# KiCad board FD.02-01-2021.kicad_pcb (continued)
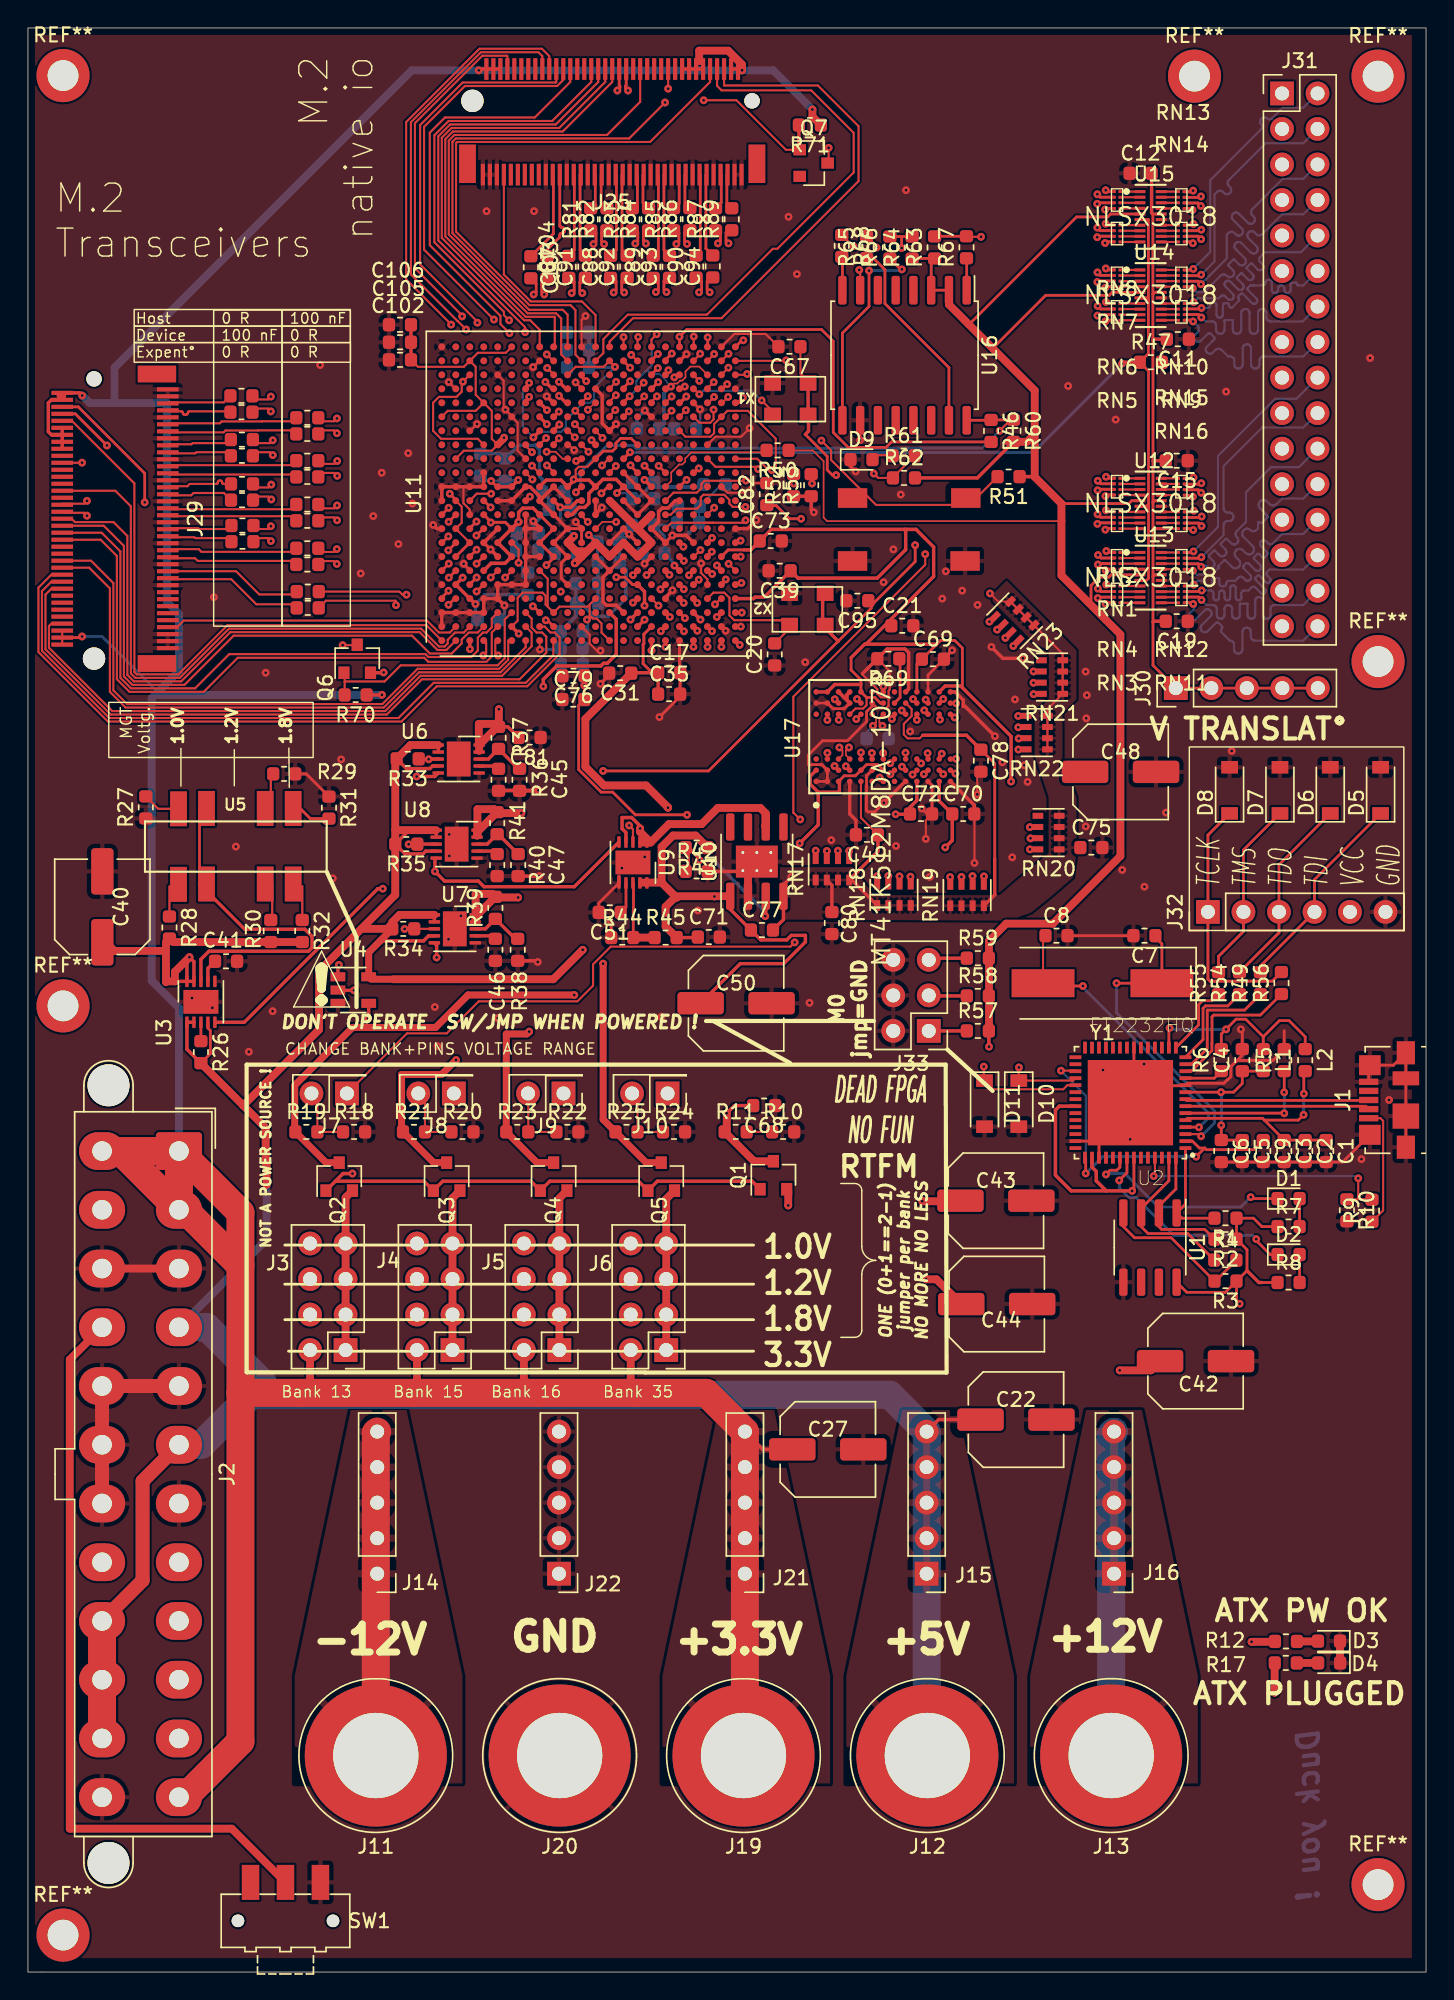
[diagram p0: board, top side]
## Routing (per net, layer and track width the routed paths; a pad name or vN(x,y) marks a point on that pad's centre or on a via; arc(x,y) is an arc through that point) (continued)
RN4_7: length 38.6
  Top w0.15: 46.6,111.21 v1(47.06,111.67)
  Top w0.21: 77.75,100.7 76.6,100.7 v1(76.53,100.63)
  In2.Cu_SigDDR w0.15: v1(47.06,111.67) 47.6,111.13 48.09,111.13 48.12,111.16 53,111.16 53.22,111.38 64.21,111.38 70.72,104.87 70.75,104.83 70.77,104.79 70.78,104.74 70.78,104.69 70.77,104.64 70.75,104.6 70.69,104.52 70.67,104.48 70.66,104.43 70.66,104.38 70.67,104.34 70.69,104.29 70.72,104.25 70.84,104.14 70.87,104.11 70.92,104.09 70.97,104.08 71.01,104.08 71.06,104.09 71.11,104.11 71.14,104.14 71.3,104.29 71.3,104.29 71.46,104.44 71.5,104.47 71.54,104.49 71.59,104.5 71.64,104.5 71.68,104.49 71.73,104.47 71.77,104.44 71.88,104.32 71.91,104.29 71.93,104.24 71.94,104.19 71.94,104.15 71.93,104.1 71.91,104.05 71.88,104.02 71.57,103.71 71.54,103.67 71.52,103.63 71.51,103.58 71.51,103.53 71.52,103.48 71.54,103.44 71.57,103.4 71.69,103.28 71.73,103.25 71.77,103.23 71.82,103.22 71.87,103.22 71.92,103.23 71.96,103.25 72,103.28 72.27,103.56 72.3,103.58 72.33,103.6 72.37,103.6 72.41,103.6 72.44,103.6 72.48,103.58 72.51,103.56 72.69,103.37 72.72,103.34 72.73,103.31 72.74,103.27 72.74,103.23 72.73,103.2 72.72,103.16 72.67,103.1 72.66,103.07 72.65,103.03 72.65,103 72.66,102.96 72.67,102.92 72.69,102.9 74.96,100.63 v1(76.53,100.63)
RN4_8: length 45.7
  Top w0.15: 44.53,112.2 v1(44.99,112.66)
  Top w0.21: v1(77.09,100.22) 77.17,100.3 77.75,100.3
  In2.Cu_SigDDR w0.15: v1(77.09,100.22) 77.05,100.18 74.37,100.18 70.61,103.94 70.56,103.98 70.51,104 70.45,104.02 70.39,104.02 70.33,104 70.27,103.98 70.18,103.9 70.12,103.87 70.06,103.86 70,103.86 69.94,103.87 69.88,103.9 69.83,103.94 69.8,103.97 69.76,104.02 69.73,104.08 69.72,104.14 69.72,104.2 69.73,104.26 69.76,104.31 69.8,104.36 70.15,104.72 70.18,104.75 70.21,104.8 70.22,104.85 70.22,104.9 70.21,104.95 70.18,104.99 70.15,105.03 70.05,105.14 70.01,105.17 69.96,105.19 69.91,105.2 69.86,105.2 69.81,105.19 69.77,105.17 69.73,105.14 69.37,104.79 69.33,104.75 69.27,104.72 69.21,104.71 69.15,104.71 69.09,104.72 69.03,104.75 68.99,104.79 68.95,104.82 68.91,104.87 68.89,104.93 68.87,104.99 68.87,105.05 68.89,105.11 68.91,105.16 68.95,105.21 69.3,105.56 69.34,105.6 69.36,105.65 69.37,105.7 69.37,105.75 69.36,105.8 69.34,105.84 69.3,105.88 69.2,105.99 69.16,106.02 69.11,106.04 69.06,106.05 69.01,106.05 68.96,106.04 68.92,106.02 68.88,105.99 68.53,105.63 68.48,105.6 68.42,105.57 68.36,105.56 68.3,105.56 68.24,105.57 68.19,105.6 68.14,105.63 68.1,105.67 68.06,105.72 68.04,105.77 68.02,105.83 68.02,105.9 68.04,105.96 68.06,106.01 68.1,106.06 68.46,106.41 68.49,106.45 68.51,106.5 68.52,106.55 68.52,106.6 68.51,106.65 68.49,106.69 68.46,106.73 68.35,106.84 68.31,106.87 68.26,106.89 68.22,106.9 68.17,106.9 68.12,106.89 68.07,106.87 68.03,106.84 67.68,106.48 67.63,106.44 67.57,106.42 67.51,106.4 67.45,106.4 67.39,106.42 67.34,106.44 67.29,106.48 67.25,106.52 67.22,106.57 67.19,106.62 67.17,106.68 67.17,106.74 67.19,106.8 67.22,106.86 67.25,106.91 67.61,107.26 67.64,107.3 67.66,107.35 67.67,107.4 67.67,107.45 67.66,107.49 67.64,107.54 67.61,107.58 67.5,107.69 67.46,107.72 67.42,107.74 67.37,107.75 67.32,107.75 67.27,107.74 67.22,107.72 67.18,107.69 66.83,107.33 66.78,107.29 66.73,107.27 66.67,107.25 66.6,107.25 66.54,107.27 66.49,107.29 66.44,107.33 66.41,107.37 66.37,107.42 66.34,107.47 66.33,107.53 66.33,107.59 66.34,107.65 66.37,107.71 66.44,107.8 66.47,107.86 66.48,107.92 66.48,107.98 66.47,108.04 66.44,108.1 66.41,108.15 63.59,110.96 54.74,110.96 54.66,110.88 47.18,110.88 46.6,111.45 46.6,111.71 46.12,112.19 45.82,112.19 45.36,112.66 v1(44.99,112.66)
RN5_5: length 37
  Top w0.15: 47.6,114.19 v1(48.02,113.77)
  Top w0.21: 77.72,119.31 77.2,119.31 v1(77.1,119.4)
  In2.Cu_SigDDR w0.15: v1(77.1,119.4) 76.94,119.57 76.29,119.57 75.25,118.53 75.21,118.5 75.17,118.48 75.13,118.47 75.09,118.47 75.04,118.48 75,118.5 74.97,118.53 74.91,118.59 74.87,118.62 74.83,118.64 74.79,118.65 74.74,118.65 74.7,118.64 74.66,118.62 74.62,118.59 74.59,118.56 74.58,118.52 74.57,118.47 74.57,118.43 74.58,118.38 74.59,118.34 74.62,118.31 74.68,118.25 74.71,118.21 74.73,118.17 74.74,118.13 74.74,118.08 74.73,118.04 74.71,118 74.68,117.97 74.65,117.94 74.61,117.92 74.56,117.91 74.52,117.91 74.48,117.92 74.44,117.94 74.4,117.97 74.34,118.03 74.3,118.05 74.26,118.07 74.22,118.08 74.18,118.08 74.13,118.07 74.09,118.05 74.06,118.03 74.03,117.99 74.01,117.95 74,117.91 74,117.86 74.01,117.82 74.03,117.78 74.06,117.74 74.12,117.68 74.15,117.65 74.17,117.61 74.18,117.56 74.18,117.52 74.17,117.47 74.15,117.43 74.12,117.4 74.08,117.37 74.04,117.35 74,117.34 73.95,117.34 73.91,117.35 73.87,117.37 73.83,117.4 73.77,117.46 73.74,117.49 73.7,117.51 73.65,117.52 73.61,117.52 73.57,117.51 73.53,117.49 73.49,117.46 73.46,117.43 73.44,117.39 73.43,117.34 73.43,117.3 73.44,117.25 73.46,117.21 73.49,117.18 73.55,117.12 73.58,117.08 73.6,117.04 73.61,117 73.61,116.95 73.6,116.91 73.58,116.87 73.55,116.83 73.52,116.81 73.48,116.79 73.43,116.78 73.39,116.78 73.34,116.79 73.3,116.81 73.27,116.83 73.21,116.89 73.17,116.92 73.13,116.94 73.09,116.95 73.04,116.95 73,116.94 72.96,116.92 72.93,116.89 72.9,116.86 72.88,116.82 72.87,116.78 72.87,116.73 72.88,116.69 72.9,116.65 72.93,116.61 72.99,116.55 73.01,116.52 73.03,116.48 73.04,116.43 73.04,116.39 73.03,116.34 73.01,116.3 72.99,116.27 72.54,115.82 72.51,115.82 72.49,115.83 72.46,115.85 72.45,115.86 72.43,115.89 72.42,115.91 72.42,115.96 72.41,115.99 72.39,116.01 72.38,116.03 72.35,116.04 72.33,116.05 72.3,116.06 72.14,116.06 72.11,116.05 72.09,116.04 72.06,116.03 72.05,116.01 72.03,115.99 72.02,115.96 72.02,115.91 72.01,115.89 71.99,115.86 71.98,115.85 71.95,115.83 71.93,115.82 71.9,115.82 71.74,115.82 71.72,115.82 71.7,115.83 71.68,115.84 71.67,115.86 71.65,115.87 71.65,115.89 71.64,115.93 71.64,115.95 71.62,115.97 71.61,115.99 71.59,116 71.57,116 71.55,116.01 71.34,116.01 71.32,116 71.3,116 71.28,115.99 71.27,115.97 71.25,115.95 71.25,115.93 71.25,115.91 71.25,115.82 71.24,115.82 71.24,115.68 71.23,115.65 71.22,115.61 71.21,115.59 71.18,115.57 71.16,115.55 71.13,115.54 71.1,115.53 70.98,115.53 70.95,115.54 70.92,115.55 70.89,115.57 70.87,115.59 70.85,115.61 70.84,115.65 70.84,115.68 70.84,115.91 70.84,115.93 70.83,115.95 70.82,115.97 70.8,115.99 70.79,116 70.77,116 70.75,116.01 70.53,116.01 70.51,116 70.49,116 70.47,115.99 70.46,115.97 70.45,115.95 70.44,115.93 70.44,115.91 70.44,115.68 70.43,115.65 70.42,115.61 70.41,115.59 70.38,115.57 70.36,115.55 70.33,115.54 70.3,115.53 70.18,115.53 70.15,115.54 70.12,115.55 70.09,115.57 70.07,115.59 70.05,115.61 70.04,115.65 70.03,115.71 70.02,115.74 70.01,115.77 69.98,115.79 69.96,115.81 69.93,115.82 69.9,115.82 51.88,115.82 50.3,114.23 48.48,114.23 v1(48.02,113.77)
  B.Cu_GND_DDR w0.21: v1(77.1,119.4) 77.08,119.38
RN5_6: length 36.4
  Top w0.15: 48.6,113.23 v1(49.05,113.68)
  Top w0.21: v1(76.51,119.12) 76.72,118.91 77.72,118.91
  In2.Cu_SigDDR w0.15: v1(76.51,119.12) 75.85,118.45 75.83,118.44 75.81,118.43 75.79,118.43 75.77,118.43 75.75,118.43 75.73,118.44 75.69,118.47 75.67,118.48 75.65,118.48 75.63,118.48 75.61,118.48 75.59,118.47 75.57,118.45 75.32,118.2 75.31,118.19 75.3,118.17 75.29,118.14 75.29,118.12 75.3,118.1 75.31,118.08 75.32,118.07 75.39,118 75.39,117.99 75.45,117.93 75.47,117.91 75.48,117.89 75.48,117.87 75.48,117.85 75.48,117.83 75.47,117.81 75.45,117.79 75.2,117.54 75.19,117.52 75.17,117.51 75.15,117.51 75.12,117.51 75.1,117.51 75.08,117.52 75.07,117.54 74.93,117.67 74.91,117.69 74.89,117.7 74.87,117.7 74.85,117.7 74.83,117.7 74.81,117.69 74.79,117.67 74.54,117.42 74.53,117.41 74.52,117.39 74.51,117.36 74.51,117.34 74.52,117.32 74.53,117.3 74.54,117.29 74.68,117.15 74.69,117.13 74.7,117.11 74.7,117.09 74.7,117.07 74.7,117.05 74.69,117.03 74.68,117.01 74.43,116.76 74.41,116.75 74.39,116.74 74.37,116.73 74.35,116.73 74.32,116.74 74.31,116.75 74.29,116.76 74.15,116.9 74.13,116.91 74.11,116.92 74.09,116.92 74.07,116.92 74.05,116.92 74.03,116.91 74.01,116.9 73.76,116.64 73.75,116.63 73.74,116.61 73.73,116.59 73.73,116.57 73.74,116.54 73.75,116.52 73.76,116.51 73.9,116.37 73.91,116.35 73.92,116.33 73.93,116.31 73.93,116.29 73.92,116.27 73.91,116.25 73.9,116.23 73.65,115.98 73.63,115.97 73.61,115.96 73.59,115.95 73.57,115.95 73.55,115.96 73.53,115.97 73.51,115.98 73.37,116.12 73.36,116.13 73.34,116.14 73.32,116.15 73.29,116.15 73.27,116.14 73.25,116.13 73.24,116.12 72.98,115.87 72.97,115.85 72.96,115.83 72.96,115.81 72.96,115.79 72.96,115.77 72.97,115.75 73,115.71 73.01,115.69 73.01,115.67 73.01,115.65 73.01,115.63 73,115.61 72.98,115.59 72.62,115.23 72.37,115.23 72.34,115.23 72.32,115.24 72.3,115.26 72.28,115.28 72.26,115.3 72.25,115.32 72.25,115.38 72.24,115.4 72.22,115.43 72.2,115.45 72.18,115.46 72.15,115.47 72.13,115.47 71.82,115.47 71.79,115.47 71.77,115.46 71.75,115.45 71.73,115.43 71.71,115.4 71.7,115.38 71.7,115.35 71.7,115.23 71.7,115.23 71.7,115.08 71.69,115.05 71.68,115.02 71.66,114.99 71.64,114.97 71.61,114.95 71.58,114.94 71.55,114.94 71.29,114.94 71.26,114.94 71.23,114.95 71.2,114.97 71.18,114.99 71.16,115.02 71.15,115.05 71.14,115.12 71.13,115.15 71.11,115.17 71.09,115.2 71.06,115.22 71.03,115.23 71,115.23 71,115.23 70.96,115.23 70.93,115.22 70.9,115.2 70.88,115.17 70.86,115.15 70.85,115.12 70.85,115.05 70.84,115.02 70.82,114.99 70.79,114.97 70.77,114.95 70.74,114.94 70.7,114.94 70.45,114.94 70.41,114.94 70.38,114.95 70.35,114.97 70.33,114.99 70.31,115.02 70.3,115.05 70.3,115.12 70.29,115.15 70.27,115.17 70.24,115.2 70.22,115.22 70.19,115.23 70.15,115.23 69.9,115.23 69.86,115.23 69.83,115.22 69.8,115.2 69.78,115.17 69.76,115.15 69.75,115.12 69.75,115.05 69.74,115.02 69.72,114.99 69.69,114.97 69.67,114.95 69.64,114.94 69.6,114.94 69.35,114.94 69.31,114.94 69.28,114.95 69.25,114.97 69.23,114.99 69.21,115.02 69.2,115.05 69.2,115.12 69.19,115.15 69.17,115.17 69.14,115.2 69.12,115.22 69.09,115.23 69.05,115.23 68.8,115.23 68.76,115.23 68.73,115.22 68.7,115.2 68.68,115.17 68.66,115.15 68.65,115.12 68.65,115.05 68.64,115.02 68.62,114.99 68.59,114.97 68.57,114.95 68.54,114.94 68.5,114.94 68.25,114.94 68.21,114.94 68.18,114.95 68.15,114.97 68.13,114.99 68.11,115.02 68.1,115.05 68.1,115.12 68.09,115.15 68.07,115.17 68.04,115.2 68.02,115.22 67.99,115.23 67.95,115.23 67.7,115.23 67.66,115.23 67.63,115.22 67.6,115.2 67.58,115.17 67.56,115.15 67.55,115.12 67.55,115.05 67.54,115.02 67.52,114.99 67.49,114.97 67.47,114.95 67.44,114.94 67.4,114.94 67.15,114.94 67.11,114.94 67.08,114.95 67.05,114.97 67.03,114.99 67.01,115.02 67,115.05 67,115.12 66.99,115.15 66.97,115.17 66.94,115.2 66.92,115.22 66.89,115.23 66.85,115.23 66.6,115.23 66.56,115.23 66.53,115.22 66.5,115.2 66.48,115.17 66.46,115.15 66.45,115.12 66.45,115.05 66.44,115.02 66.42,114.99 66.39,114.97 66.37,114.95 66.34,114.94 66.3,114.94 66.05,114.94 66.01,114.94 65.98,114.95 65.95,114.97 65.93,114.99 65.91,115.02 65.9,115.05 65.9,115.12 65.89,115.15 65.87,115.17 65.84,115.2 65.82,115.22 65.79,115.23 65.75,115.23 65.5,115.23 65.46,115.23 65.43,115.22 65.4,115.2 65.38,115.17 65.36,115.15 65.35,115.12 65.35,115.05 65.34,115.02 65.32,114.99 65.29,114.97 65.27,114.95 65.24,114.94 65.2,114.94 64.95,114.94 64.91,114.94 64.88,114.95 64.85,114.97 64.83,114.99 64.81,115.02 64.8,115.05 64.8,115.12 64.79,115.15 64.77,115.17 64.74,115.2 64.72,115.22 64.69,115.23 64.65,115.23 54.9,115.23 54.45,114.77 51.28,114.77 50.49,113.98 49.35,113.98 v1(49.05,113.68)
RN5_7: length 36.5
  Top w0.15: U11.AB20 51.38,114.2 v1(51.44,114.26)
  Top w0.21: v1(76.5,118.44) 76.57,118.51 77.72,118.51
  In2.Cu_SigDDR w0.15: v1(76.5,118.44) 72.74,114.68 70.14,114.68 70.12,114.68 70.09,114.67 70.07,114.65 70.05,114.63 70.03,114.61 70.02,114.59 70.02,114.53 70.01,114.51 70,114.48 69.98,114.46 69.95,114.45 69.93,114.44 69.9,114.44 69.54,114.44 69.52,114.44 69.49,114.45 69.47,114.46 69.45,114.48 69.43,114.51 69.42,114.53 69.42,114.59 69.41,114.61 69.4,114.63 69.38,114.65 69.35,114.67 69.33,114.68 69.3,114.68 68.94,114.68 68.92,114.68 68.89,114.67 68.87,114.65 68.85,114.63 68.83,114.61 68.82,114.59 68.82,114.53 68.81,114.51 68.8,114.48 68.78,114.46 68.75,114.45 68.73,114.44 68.7,114.44 68.34,114.44 68.32,114.44 68.29,114.45 68.27,114.46 68.25,114.48 68.23,114.51 68.22,114.53 68.22,114.59 68.21,114.61 68.2,114.63 68.18,114.65 68.15,114.67 68.13,114.68 68.1,114.68 67.74,114.68 67.72,114.68 67.69,114.67 67.67,114.65 67.65,114.63 67.63,114.61 67.62,114.59 67.62,114.53 67.61,114.51 67.6,114.48 67.58,114.46 67.55,114.45 67.53,114.44 67.5,114.44 67.14,114.44 67.12,114.44 67.09,114.45 67.07,114.46 67.05,114.48 67.03,114.51 67.02,114.53 67.02,114.59 67.01,114.61 67,114.63 66.98,114.65 66.95,114.67 66.93,114.68 66.9,114.68 66.54,114.68 66.52,114.68 66.49,114.67 66.47,114.65 66.45,114.63 66.43,114.61 66.42,114.59 66.42,114.53 66.41,114.51 66.4,114.48 66.38,114.46 66.35,114.45 66.33,114.44 66.3,114.44 65.94,114.44 65.92,114.44 65.89,114.45 65.87,114.46 65.85,114.48 65.83,114.51 65.82,114.53 65.82,114.59 65.81,114.61 65.8,114.63 65.78,114.65 65.75,114.67 65.73,114.68 65.7,114.68 65.34,114.68 65.32,114.68 65.29,114.67 65.27,114.65 65.25,114.63 65.23,114.61 65.22,114.59 65.22,114.53 65.21,114.51 65.2,114.48 65.18,114.46 65.15,114.45 65.13,114.44 65.1,114.44 64.74,114.44 64.72,114.44 64.69,114.45 64.67,114.46 64.65,114.48 64.63,114.51 64.62,114.53 64.62,114.59 64.61,114.61 64.6,114.63 64.58,114.65 64.55,114.67 64.53,114.68 64.5,114.68 64.47,114.68 64.44,114.67 64.42,114.65 64.4,114.63 64.39,114.61 64.38,114.59 64.37,114.53 64.36,114.51 64.35,114.48 64.33,114.46 64.31,114.45 64.28,114.44 64.25,114.44 63.9,114.44 63.87,114.44 63.84,114.45 63.82,114.46 63.8,114.48 63.79,114.51 63.78,114.53 63.78,114.56 63.78,114.83 63.77,114.86 63.76,114.89 63.74,114.92 63.72,114.94 63.69,114.96 63.66,114.97 63.63,114.97 63.32,114.97 63.29,114.97 63.26,114.96 63.23,114.94 63.21,114.92 63.19,114.89 63.18,114.86 63.18,114.83 63.18,114.56 63.17,114.53 63.16,114.51 63.15,114.48 63.13,114.46 63.11,114.45 63.08,114.44 63.05,114.44 62.7,114.44 62.67,114.44 62.64,114.45 62.62,114.46 62.6,114.48 62.59,114.51 62.58,114.53 62.57,114.56 62.57,114.83 62.57,114.86 62.56,114.89 62.54,114.92 62.52,114.94 62.49,114.96 62.46,114.97 62.43,114.97 62.12,114.97 62.09,114.97 62.06,114.96 62.03,114.94 62.01,114.92 61.99,114.89 61.98,114.86 61.97,114.83 61.97,114.56 61.97,114.53 61.96,114.51 61.95,114.48 61.93,114.46 61.91,114.45 61.88,114.44 61.85,114.44 61.5,114.44 61.47,114.44 61.44,114.45 61.42,114.46 61.4,114.48 61.39,114.51 61.38,114.53 61.38,114.56 61.38,114.83 61.37,114.86 61.36,114.89 61.34,114.92 61.32,114.94 61.29,114.96 61.26,114.97 61.23,114.97 60.92,114.97 60.89,114.97 60.86,114.96 60.83,114.94 60.81,114.92 60.79,114.89 60.78,114.86 60.78,114.83 60.78,114.56 60.77,114.53 60.76,114.51 60.75,114.48 60.73,114.46 60.71,114.45 60.68,114.44 60.65,114.44 60.3,114.44 60.27,114.44 60.24,114.45 60.22,114.46 60.2,114.48 60.19,114.51 60.18,114.53 60.18,114.56 60.18,114.83 60.17,114.86 60.16,114.89 60.14,114.92 60.12,114.94 60.09,114.96 60.06,114.97 60.03,114.97 59.72,114.97 59.69,114.97 59.66,114.96 59.63,114.94 59.61,114.92 59.59,114.89 59.58,114.86 59.57,114.83 59.57,114.56 59.57,114.53 59.56,114.51 59.55,114.48 59.53,114.46 59.51,114.45 59.48,114.44 59.45,114.44 59.1,114.44 59.07,114.44 59.04,114.45 59.02,114.46 59,114.48 58.99,114.51 58.98,114.53 58.97,114.56 58.97,114.83 58.97,114.86 58.96,114.89 58.94,114.92 58.92,114.94 58.89,114.96 58.86,114.97 58.83,114.97 58.52,114.97 58.49,114.97 58.46,114.96 58.43,114.94 58.41,114.92 58.39,114.89 58.38,114.86 58.38,114.83 58.38,114.56 58.37,114.53 58.36,114.51 58.35,114.48 58.33,114.46 58.31,114.45 58.28,114.44 58.25,114.44 57.9,114.44 57.87,114.44 57.84,114.45 57.82,114.46 57.8,114.48 57.79,114.51 57.78,114.53 57.78,114.56 57.78,114.83 57.77,114.86 57.76,114.89 57.74,114.92 57.72,114.94 57.69,114.96 57.66,114.97 57.63,114.97 57.32,114.97 57.29,114.97 57.26,114.96 57.23,114.94 57.21,114.92 57.19,114.89 57.18,114.86 57.18,114.83 57.18,114.56 57.17,114.53 57.16,114.51 57.15,114.48 57.13,114.46 57.11,114.45 57.08,114.44 57.05,114.44 56.7,114.44 56.67,114.44 56.64,114.45 56.62,114.46 56.6,114.48 56.59,114.51 56.58,114.53 56.57,114.56 56.57,114.83 56.57,114.86 56.56,114.89 56.54,114.92 56.52,114.94 56.49,114.96 56.46,114.97 56.43,114.97 56.12,114.97 56.09,114.97 56.06,114.96 56.03,114.94 56.01,114.92 55.99,114.89 55.98,114.86 55.97,114.83 55.97,114.68 55.97,114.68 55.97,114.56 55.97,114.53 55.96,114.51 55.95,114.48 55.93,114.46 55.9,114.45 55.88,114.44 55.85,114.44 55.49,114.44 55.47,114.44 55.44,114.45 55.42,114.46 55.4,114.48 55.38,114.51 55.37,114.53 55.37,114.59 55.36,114.61 55.35,114.63 55.33,114.65 55.3,114.67 55.28,114.68 55.25,114.68 54.71,114.68 54.29,114.26 v1(51.44,114.26)
RN5_8: length 37.3
  Top w0.15: 49.68,113.2 v1(50.01,113.53)
  Top w0.21: v1(77.06,118.02) 77.15,118.11 77.72,118.11
  In2.Cu_SigDDR w0.15: 74.62,116.03 75.51,115.15 ; 74.62,116.03 74.58,116.03 74.53,116.02 74.49,116 74.46,115.97 74.32,115.83 74.29,115.8 74.27,115.76 74.26,115.71 74.26,115.67 74.27,115.62 74.29,115.58 74.32,115.55 74.85,115.02 74.89,114.97 74.92,114.91 74.93,114.84 74.93,114.77 74.92,114.71 74.89,114.65 74.85,114.59 74.79,114.55 74.73,114.52 74.67,114.51 74.6,114.51 74.53,114.52 74.47,114.55 74.42,114.59 74.25,114.77 74.19,114.81 74.13,114.84 74.07,114.86 74,114.86 73.93,114.84 73.87,114.81 73.82,114.77 73.06,114.01 51.86,114.01 51.59,113.73 50.22,113.73 v1(50.01,113.53) ; 74.62,116.03 74.66,116.02 74.71,116 74.74,115.97 75.27,115.44 75.32,115.4 75.38,115.37 75.45,115.36 75.52,115.36 75.58,115.37 75.64,115.4 75.69,115.44 75.74,115.5 75.77,115.56 75.78,115.62 75.78,115.69 75.77,115.75 75.74,115.81 75.69,115.87 75.16,116.4 75.14,116.43 75.12,116.47 75.11,116.52 75.11,116.56 75.12,116.6 75.14,116.65 75.16,116.68 75.31,116.82 75.34,116.85 75.38,116.87 75.42,116.88 75.47,116.88 75.51,116.87 75.55,116.85 75.59,116.82 76.12,116.29 76.17,116.25 76.23,116.22 76.3,116.21 76.36,116.21 76.43,116.22 76.49,116.25 76.54,116.29 76.59,116.34 76.61,116.4 76.63,116.47 76.63,116.54 76.61,116.6 76.59,116.66 76.54,116.72 76.01,117.25 75.98,117.28 75.97,117.32 75.96,117.36 75.96,117.41 75.97,117.45 75.98,117.49 76.01,117.53 76.15,117.67 76.19,117.7 76.23,117.72 76.27,117.73 76.32,117.73 76.36,117.72 76.4,117.7 76.47,117.64 76.51,117.62 76.56,117.61 76.6,117.61 76.64,117.62 76.68,117.64 76.72,117.67 77.06,118.01 v1(77.06,118.02)
RN6_5: length 42.1
  Top w0.2: 44.6,114.23 v1(45.05,114.68)
  Top w0.21: 77.71,121.71 77.19,121.71 v1(77.09,121.81)
  In2.Cu_SigDDR w0.15: v1(45.05,114.68) 45.35,114.98 48.03,114.98 48.54,115.49 48.54,115.82 50.09,117.38 51.49,117.38 51.81,117.06 66.22,117.06 66.23,117.06 66.24,117.06 66.25,117.05 66.25,117.04 66.26,117.03 66.26,117.02 66.27,117 66.27,116.99 66.28,116.98 66.28,116.97 66.29,116.96 66.3,116.96 66.31,116.96 66.81,116.96 66.83,116.96 66.84,116.96 66.85,116.97 66.85,116.98 66.86,116.99 66.86,117 66.87,117.01 66.87,117.13 66.87,117.15 66.87,117.17 66.88,117.18 66.89,117.19 66.91,117.2 66.92,117.21 66.94,117.21 67.39,117.21 67.41,117.21 67.42,117.2 67.44,117.19 67.45,117.18 67.46,117.17 67.46,117.15 67.47,117.13 67.47,117.01 67.47,117 67.47,116.99 67.48,116.98 67.48,116.97 67.49,116.96 67.5,116.96 67.51,116.96 68.01,116.96 68.03,116.96 68.04,116.96 68.05,116.97 68.05,116.98 68.06,116.99 68.06,117 68.06,117.01 68.06,117.13 68.07,117.15 68.07,117.17 68.08,117.18 68.09,117.19 68.11,117.2 68.12,117.21 68.14,117.21 68.59,117.21 68.61,117.21 68.62,117.2 68.64,117.19 68.65,117.18 68.66,117.17 68.66,117.15 68.66,117.13 68.66,117.01 68.67,117 68.67,116.99 68.68,116.98 68.68,116.97 68.69,116.96 68.7,116.96 68.72,116.96 69.22,116.96 69.23,116.96 69.24,116.96 69.25,116.97 69.25,116.98 69.26,116.99 69.26,117 69.26,117.01 69.26,117.13 69.27,117.15 69.27,117.17 69.28,117.18 69.29,117.19 69.31,117.2 69.32,117.21 69.34,117.21 69.79,117.21 69.81,117.21 69.82,117.2 69.84,117.19 69.85,117.18 69.86,117.17 69.86,117.15 69.87,117.13 69.87,117.01 69.87,117 69.87,116.99 69.88,116.98 69.88,116.97 69.89,116.96 69.9,116.96 69.91,116.96 70.41,116.96 70.43,116.96 70.44,116.96 70.45,116.97 70.45,116.98 70.46,116.99 70.46,117 70.47,117.01 70.47,117.06 70.47,117.06 70.47,117.13 70.47,117.15 70.47,117.17 70.48,117.18 70.49,117.19 70.51,117.2 70.52,117.21 70.54,117.21 70.99,117.21 71.01,117.21 71.02,117.2 71.04,117.19 71.05,117.18 71.06,117.17 71.06,117.15 71.07,117.12 71.07,117.1 71.08,117.09 71.09,117.08 71.11,117.07 71.12,117.06 71.14,117.06 71.34,117.06 71.78,117.5 71.8,117.51 71.82,117.52 71.84,117.53 71.86,117.53 71.88,117.52 71.9,117.51 71.94,117.49 71.96,117.48 71.98,117.47 72,117.47 72.02,117.48 72.04,117.49 72.06,117.5 72.35,117.79 72.36,117.8 72.37,117.82 72.37,117.84 72.37,117.87 72.37,117.89 72.36,117.91 72.35,117.93 72.15,118.12 72.13,118.15 72.11,118.18 72.1,118.22 72.1,118.26 72.11,118.3 72.13,118.33 72.15,118.36 72.33,118.54 72.36,118.57 72.4,118.58 72.43,118.59 72.47,118.59 72.51,118.58 72.55,118.57 72.58,118.54 72.77,118.35 72.79,118.34 72.81,118.33 72.83,118.32 72.85,118.32 72.87,118.33 72.89,118.34 72.91,118.35 73.19,118.63 73.21,118.65 73.22,118.67 73.22,118.69 73.22,118.71 73.22,118.74 73.21,118.76 73.19,118.77 73,118.97 72.98,119 72.96,119.03 72.95,119.07 72.95,119.11 72.96,119.15 72.98,119.18 73,119.21 73.18,119.39 73.21,119.42 73.24,119.43 73.28,119.44 73.32,119.44 73.36,119.43 73.39,119.42 73.43,119.39 73.62,119.2 73.64,119.18 73.66,119.17 73.68,119.17 73.7,119.17 73.72,119.17 73.74,119.18 73.76,119.2 74.04,119.48 74.06,119.5 74.07,119.52 74.07,119.54 74.07,119.56 74.07,119.59 74.06,119.6 74.04,119.62 73.85,119.82 73.82,119.85 73.81,119.88 73.8,119.92 73.8,119.96 73.81,120 73.82,120.03 73.85,120.06 74.03,120.24 74.06,120.26 74.09,120.28 74.13,120.29 74.17,120.29 74.21,120.28 74.24,120.26 74.27,120.24 74.47,120.05 74.48,120.03 74.5,120.02 74.53,120.02 74.55,120.02 74.57,120.02 74.59,120.03 74.61,120.05 74.89,120.33 74.9,120.35 74.91,120.37 74.92,120.39 74.92,120.41 74.91,120.43 74.9,120.45 74.89,120.47 74.7,120.66 74.67,120.69 74.66,120.73 74.65,120.77 74.65,120.81 74.66,120.84 74.67,120.88 74.7,120.91 74.88,121.09 74.91,121.11 74.94,121.13 74.98,121.14 75.02,121.14 75.06,121.13 75.09,121.11 75.12,121.09 75.25,120.97 75.32,120.9 75.33,120.88 75.35,120.87 75.37,120.87 75.4,120.87 75.42,120.87 75.44,120.88 75.46,120.9 75.74,121.18 75.75,121.2 75.76,121.22 75.77,121.24 75.77,121.26 75.76,121.28 75.75,121.3 75.73,121.34 75.72,121.36 75.71,121.38 75.71,121.4 75.72,121.42 75.73,121.44 75.74,121.46 76.26,121.98 76.93,121.98 v1(77.09,121.81)
  In2.Cu_SigDDR w0.2: v1(77.09,121.81) 77.07,121.78
  B.Cu_GND_DDR w0.21: v1(77.09,121.81) 77.07,121.78
RN6_6: length 38.3
  Top w0.15: 45.6,114.23 45.88,114.51
  Top w0.21: 77.71,121.31 76.71,121.31 v1(76.5,121.52)
  In2.Cu_SigDDR w0.15: 45.88,114.51 46.1,114.73 48.8,114.73 49.65,115.59 49.65,115.92 50.86,117.13 51.39,117.13 51.82,116.69 52.25,116.69 52.27,116.69 52.28,116.68 52.3,116.67 52.31,116.66 52.32,116.65 52.32,116.63 52.33,116.6 52.33,116.58 52.34,116.57 52.35,116.56 52.37,116.55 52.38,116.54 52.4,116.54 52.85,116.54 52.87,116.54 52.88,116.55 52.9,116.56 52.91,116.57 52.92,116.58 52.92,116.6 52.92,116.62 52.92,116.69 52.93,116.74 52.93,116.75 52.93,116.76 52.94,116.77 52.94,116.78 52.95,116.79 52.96,116.79 52.97,116.79 53.47,116.79 53.49,116.79 53.5,116.79 53.51,116.78 53.51,116.77 53.52,116.76 53.52,116.75 53.53,116.74 53.53,116.62 53.53,116.6 53.53,116.58 53.54,116.57 53.55,116.56 53.57,116.55 53.58,116.54 53.6,116.54 54.05,116.54 54.07,116.54 54.08,116.55 54.1,116.56 54.11,116.57 54.12,116.58 54.12,116.6 54.12,116.62 54.12,116.74 54.13,116.75 54.13,116.76 54.14,116.77 54.14,116.78 54.15,116.79 54.16,116.79 54.18,116.79 54.68,116.79 54.69,116.79 54.7,116.79 54.71,116.78 54.71,116.77 54.72,116.76 54.72,116.75 54.72,116.74 54.72,116.62 54.73,116.6 54.73,116.58 54.74,116.57 54.75,116.56 54.77,116.55 54.78,116.54 54.8,116.54 55.25,116.54 55.27,116.54 55.28,116.55 55.3,116.56 55.31,116.57 55.32,116.58 55.32,116.6 55.32,116.62 55.32,116.74 55.33,116.75 55.33,116.76 55.34,116.77 55.34,116.78 55.35,116.79 55.36,116.79 55.38,116.79 55.88,116.79 55.89,116.79 55.9,116.79 55.91,116.78 55.91,116.77 55.92,116.76 55.92,116.75 55.93,116.74 55.93,116.62 55.93,116.6 55.93,116.58 55.94,116.57 55.95,116.56 55.97,116.55 55.98,116.54 56,116.54 56.45,116.54 56.47,116.54 56.48,116.55 56.5,116.56 56.51,116.57 56.52,116.58 56.52,116.6 56.53,116.62 56.53,116.74 56.53,116.75 56.53,116.76 56.54,116.77 56.54,116.78 56.55,116.79 56.56,116.79 56.57,116.79 57.07,116.79 57.09,116.79 57.1,116.79 57.11,116.78 57.11,116.77 57.12,116.76 57.12,116.75 57.12,116.74 57.12,116.62 57.13,116.6 57.13,116.58 57.14,116.57 57.15,116.56 57.17,116.55 57.18,116.54 57.2,116.54 57.65,116.54 57.67,116.54 57.68,116.55 57.7,116.56 57.71,116.57 57.72,116.58 57.72,116.6 57.72,116.62 57.72,116.74 57.73,116.75 57.73,116.76 57.74,116.77 57.74,116.78 57.75,116.79 57.76,116.79 57.78,116.79 58.28,116.79 58.29,116.79 58.3,116.79 58.31,116.78 58.31,116.77 58.32,116.76 58.32,116.75 58.32,116.74 58.32,116.62 58.33,116.6 58.33,116.58 58.34,116.57 58.35,116.56 58.37,116.55 58.38,116.54 58.4,116.54 58.85,116.54 58.87,116.54 58.88,116.55 58.9,116.56 58.91,116.57 58.92,116.58 58.92,116.6 58.93,116.63 58.93,116.65 58.94,116.66 58.95,116.67 58.97,116.68 58.98,116.69 59,116.69 71.67,116.69 71.68,116.7 71.68,116.71 71.68,116.72 71.68,116.73 71.68,116.74 71.68,116.75 71.66,116.77 71.66,116.78 71.66,116.79 71.66,116.8 71.66,116.81 71.66,116.82 71.67,116.83 72.02,117.18 72.03,117.19 72.04,117.2 72.05,117.2 72.06,117.2 72.07,117.2 72.08,117.19 72.09,117.18 72.2,117.08 72.21,117.07 72.23,117.06 72.25,117.05 72.27,117.05 72.3,117.06 72.31,117.07 72.33,117.08 72.62,117.37 72.63,117.39 72.64,117.41 72.65,117.43 72.65,117.45 72.64,117.47 72.63,117.49 72.61,117.52 72.6,117.54 72.59,117.56 72.59,117.58 72.6,117.61 72.61,117.62 72.62,117.64 v1(76.5,121.52)